# Altium PCB Dashcam BB V2.0 A.PcbDoc (part 2 of 2) (continued)
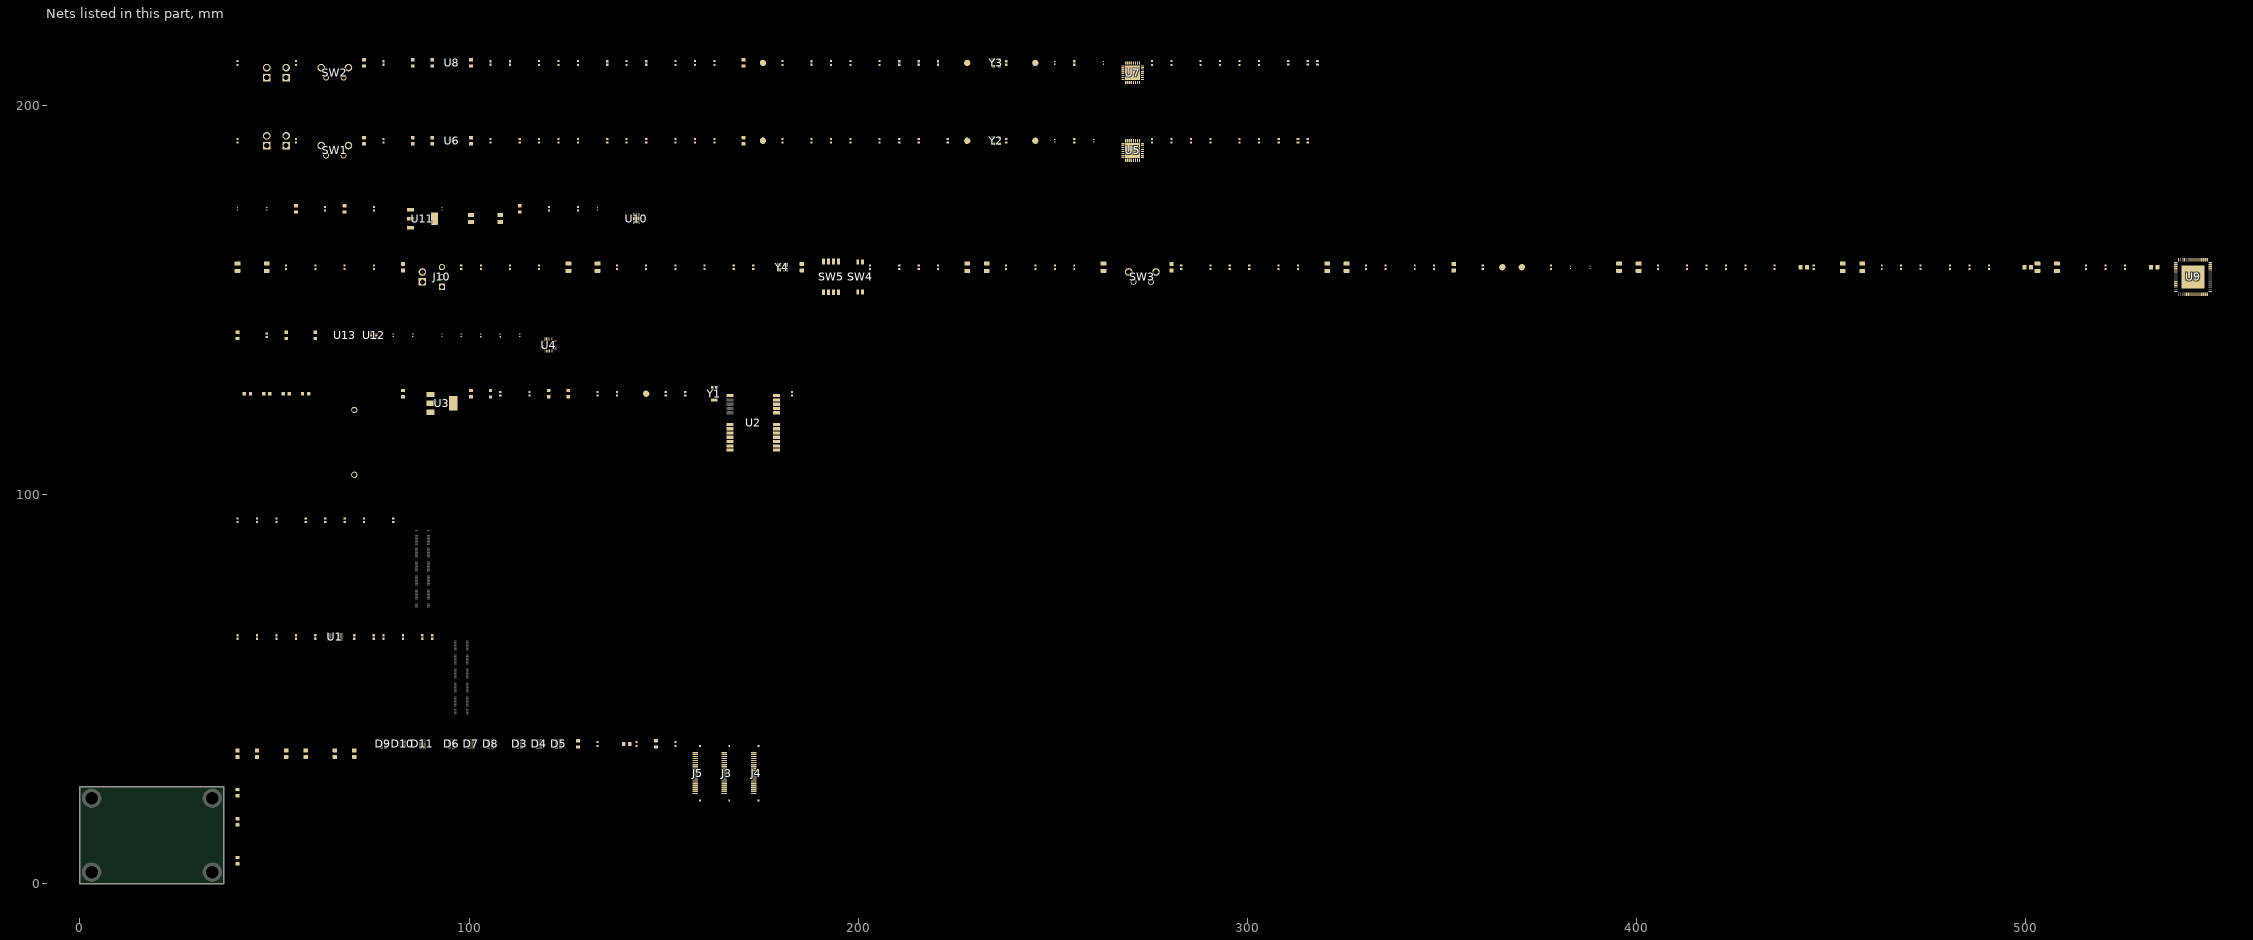
[diagram p2: the nets of this part, all layers, seen from the top]
## Part data (continued)
U5 U7: library part IC_MIPI_SERIALIZER_DS90UB953ATRHBTQ1, "FPD-Link III 4.16-Gbps serializer with CSI-2 interface 32-VQFN -40 to 125", Case/Package=VQFN, Manufacturer="Texas Instruments", Max Operating Temperature=125°C, Min Operating Temperature=-40°C, Category="Integrated Circuits (ICs)", ComponentLink1Description=http://www.ti.com/general/docs/suppproductinfo.tsp?distId=10&amp;gotoUrl=http%3A%2F%2Fwww.ti.com%2Flit%2Fgpn%2Fds90ub953a-q1&src-supplier=Digikey, ComponentLink1URL=http://www.ti.com/general/docs/suppproductinfo.tsp?distId=10&amp;gotoUrl=http%3A%2F%2Fwww.ti.com%2Flit%2Fgpn%2Fds90ub953a-q1&src-supplier=Digikey, Data Rate=4.16Gbps, Manufacturer Part Number=DS90UB953ATRHBTQ1, Mount="Surface Mount", Number of Inputs=5, Number of Outputs=1, Pricing 1="1=10.375, 100=9.063, 250=6.988, 1000=6.25 (USD)", RoHS=Yes, series="Automotive, AEC-Q100", Stock 1=15937, Supplier 1="Texas Instruments", Supplier Part Number 1=DS90UB953ATRHBTQ1
U6 U8 U13: library part IC_REG_LDO_1.8V_250mA_LP5907UVX-1.8/NOPB, "Low Dropout Regulators(LDO) Positive Fixed 200mV @ 250mA 5.5V 1.8V 250mA DSBGA-4 RoHS", Case/Package=SMD/SMT, Dropout Voltage=50mV, Manufacturer="Texas Instruments", Max Input Voltage=5.5V, Max Operating Temperature=125°C, Max Output Current=250mA, Max Supply Current=425uA, Min Input Voltage=2.2V, Min Operating Temperature=-40°C, Min Output Voltage=1.8V, Package Quantity=3000, Power Supply Rejection Ratio (PSRR)=60dB, Quiescent Current=25uA, Supplier Part Number 1=296-35634-1-ND, Accuracy=2%, Category="Voltage Regulators - Linear", ComponentLink1Description=https://datasheet.ciiva.com/6597/lp5907-6597398.pdf?src-supplier=Digikey, ComponentLink1URL=https://datasheet.ciiva.com/6597/lp5907-6597398.pdf?src-supplier=Digikey, ComponentLink2Description=https://datasheet.ciiva.com/14278/lp5907-14278557.pdf?src-supplier=Avnet, ComponentLink2URL=https://datasheet.ciiva.com/14278/lp5907-14278557.pdf?src-supplier=Avnet, Lead Free="Lead Free", Manufacturer Part Number=LP5907UVX-1.8/NOPB, Mount="Surface Mount", Number of Outputs=1, Number of Regulators=1, Output Configuration=Positive, Output Current=250mA, Output Type=Fixed, Output Voltage=1.8V, Packaging="Tape and Reel", Polarity=Positive, Pricing 1="1=0.66, 10=0.564, 25=0.5268, 100=0.4214, 250=0.39128, 500=0.33108, 1000=0.25583 (USD)", Radiation Hardening=No, RoHS=Yes, RoHS Compliant=Yes, series=-, Stock 1=47909, Supplier 1=Digikey
U9: library part IC_MIPI_DESEREALIZER_DS90UB960WRTDRQ1, "Quad 2 MP camera hub FPD-Link III deserializer with dual CSI-2 output ports 64-VQFN -40 to 105", Manufacturer="Texas Instruments", Max Operating Temperature=105°C, Min Operating Temperature=-40°C, Category="Integrated Circuits (ICs)", ComponentLink1Description=http://www.ti.com/general/docs/suppproductinfo.tsp?distId=10&amp;gotoUrl=http%3A%2F%2Fwww.ti.com%2Flit%2Fgpn%2Fds90ub960-q1&src-supplier=Digikey, ComponentLink1URL=http://www.ti.com/general/docs/suppproductinfo.tsp?distId=10&amp;gotoUrl=http%3A%2F%2Fwww.ti.com%2Flit%2Fgpn%2Fds90ub960-q1&src-supplier=Digikey, Manufacturer Part Number=DS90UB960WRTDRQ1, Pricing 1="1=18.26, 100=15.95, 250=12.298, 1000=11 (USD)", RoHS=Yes, RoHS Compliant=Yes, Stock 1=6702, Supplier 1="Texas Instruments", Supplier Part Number 1=DS90UB960WRTDRQ1
U10: library part IC_REG_LDO_1.1V_1A_TPS74611PQWDRVRQ1, "Voltage Regulator; linear, LDO; fixed; Vout: 1.1V; Vin: 1.5-6V; 1A; -40+125 deg.C; SMD; WSON6", Manufacturer="Texas Instruments", Supplier Part Number 1=296-TPS74611PQWDRVRQ1CT-ND, Category="Integrated Circuits (ICs)", Manufacturer Part Number=TPS74611PQWDRVRQ1, Pricing 1="1=1.26, 10=0.915, 25=0.8288, 100=0.7334, 250=0.68796, 500=0.66054, 1000=0.63799, 3000=0.61013, 6000=0.59649, 9000=0.58967, 15000=0.5821 (USD)", RoHS=Yes, RoHS Compliant=Yes, Stock 1=29876, Supplier 1=Digikey
U11: library part IC_REG_LDO_1.8_1A_AZ1117CH-1.8TRG1, "AZ1117C Series 1.8 V 800 mA Fixed Surface Mount Voltage Regulator - SOT-223", Case/Package=SOT-223, Dropout Voltage=1.2V, Manufacturer=Diodes, Max Input Voltage=15V, Max Operating Temperature=125°C, Max Output Current=1.35A, Min Current Limit=1A, Min Operating Temperature=-20°C, Output Current=800mA, Output Voltage=1.8V, Package Quantity=4000, Quiescent Current=6mA, Reference Voltage=1.262V, Supplier Part Number 1=AZ1117CH-1.8TRG1DITR-ND, Accuracy=1%, Category="Voltage Regulators - Linear", ComponentLink1Description=https://datasheet.ciiva.com/29569/az1117c-29569909.pdf?src-supplier=Digikey, ComponentLink1URL=https://datasheet.ciiva.com/29569/az1117c-29569909.pdf?src-supplier=Digikey, Height=1.7mm, Length=6.7mm, Manufacturer Part Number=AZ1117CH-1.8TRG1, Mount="Surface Mount", Number of Channels=1, Number of Outputs=1, Number of Pins=3, Number of Regulators=1, Output Type=Fixed, Packaging="Cut Tape", Polarity=Positive, Pricing 1="4000=0.06801, 8000=0.06219, 12000=0.05925, 20000=0.05597, 28000=0.05488 (USD)", RoHS=Yes, RoHS Compliant=Yes, series=-, Stock 1=40000, Supplier 1=Digikey, Width=3.7mm
U12: library part IC_LEVEL_TRASLATOR_NTS0104GU12,115, "NTS0104 Series 50 Mbps Dual Supply 3-ST O-DRN Translating Transceiver- XQFN-12", High Level Output Current=-20uA, Low Level Output Current=1mA, Manufacturer="NXP Semiconductors", Max Operating Temperature=125°C, Max Power Dissipation=250mW, Max Supply Voltage=5.5V, Min Operating Temperature=-40°C, Min Supply Voltage=1.65V, Package Quantity=1, Quiescent Current=45uA, Supplier Part Number 1=568-8408-1-ND, Category="Voltage Level Shifters", ComponentLink1Description=https://datasheet.ciiva.com/1899/nts0104-1899088.pdf?src-supplier=Digikey, ComponentLink1URL=https://datasheet.ciiva.com/1899/nts0104-1899088.pdf?src-supplier=Digikey, ComponentLink2Description=https://datasheet.ciiva.com/4834/nts0104-92130-4834865.pdf?src-supplier=Mouser, ComponentLink2URL=https://datasheet.ciiva.com/4834/nts0104-92130-4834865.pdf?src-supplier=Mouser, ComponentLink3Description=https://datasheet.ciiva.com/1899/nts0104-1899089.pdf?src-supplier=Digikey, ComponentLink3URL=https://datasheet.ciiva.com/1899/nts0104-1899089.pdf?src-supplier=Digikey, ComponentLink4Description=https://datasheet.ciiva.com/1899/nts0104-1899090.pdf?src-supplier=Digikey, ComponentLink4URL=https://datasheet.ciiva.com/1899/nts0104-1899090.pdf?src-supplier=Digikey, ComponentLink5Description=https://datasheet.ciiva.com/8244/nts0104-8244168.pdf?src-supplier=Avnet, ComponentLink5URL=https://datasheet.ciiva.com/8244/nts0104-8244168.pdf?src-supplier=Avnet, Data Rate=50Mbps, Lead Free="Lead Free", Logic Function=Translator, Manufacturer Part Number=NTS0104GU12,115, Mount="Surface Mount", Number of Bits=4, Number of Channels=4, Number of Pins=12, Output Type=Voltage, Packaging="Tape and Reel", Pricing 1="1=1.16, 10=1.034, 25=0.982, 100=0.8065, 250=0.75396, 500=0.66628, 1000=0.52601 (USD)", Propagation Delay=4.4ns, RoHS=Yes, RoHS Compliant=Yes, series=-, Stock 1=126626, Supplier 1=Digikey, Turn-On Delay Time=5.8ns
Y1: library part ANT_CHIP_GPS_W3011, "Antenna Ceramic 3.4dB Gain 1585.42MHz 2-Pin CSMD", Frequency=1.57542GHz, Manufacturer=Pulse, Max Frequency=1.58542GHz, Min Frequency=1.56542GHz, Package Quantity=3000, Supplier Part Number 1=553-2582-1-ND, Category="RF Antennas", ComponentLink1Description=https://datasheet.ciiva.com/2792/+w3011-w3011a-2792615.pdf?src-supplier=Digikey, ComponentLink1URL=https://datasheet.ciiva.com/2792/+w3011-w3011a-2792615.pdf?src-supplier=Digikey, ComponentLink2Description=https://datasheet.ciiva.com/8152/+w3011-w3011a-8152997.pdf?src-supplier=Avnet, ComponentLink2URL=https://datasheet.ciiva.com/8152/+w3011-w3011a-8152997.pdf?src-supplier=Avnet, Height=0.043inch, Impedance=50R, Lead Free="Lead Free", Manufacturer Part Number=W3011, Mount="Surface Mount,PCB", Number of Bands=1, Packaging="Cut Tape", Pricing 1="1=2.56, 10=1.654, 25=1.4148, 100=1.1461, 250=1.01512, 500=0.93512, 1000=0.86859 (USD)", Return Loss=-12dB, RoHS=Yes, RoHS Compliant=Yes, series=-, Stock 1=8689, Supplier 1=Digikey, Termination=Solder
Y2 Y3: library part CRYSTAL_ABRACON_50MHz_ASDMB-50.000MHZ-LC-T, "Oscillator MEMS 50MHz ±50ppm (Stability) 15pF LVCMOS 55% 1.8V/2.5V/3.3V Automotive 4-Pin QFN SMD T/R", Case/Package=SMD/SMT, Frequency=50MHz, Frequency Stability=50ppm, Load Capacitance=15pF, Manufacturer=Abracon, Max Operating Temperature=85°C, Max Supply Current=16mA, Max Supply Voltage=4V, Min Operating Temperature=-40°C, Min Supply Voltage=-300mV, Operating Frequency="50 MHz", Operating Supply Voltage=3.3V, Supplier Part Number 1=535-11738-1-ND, Category=Oscillators, ComponentLink1Description=https://datasheet.ciiva.com/871/asdmb-871369.pdf?src-supplier=Digikey, ComponentLink1URL=https://datasheet.ciiva.com/871/asdmb-871369.pdf?src-supplier=Digikey, ComponentLink2Description=https://datasheet.ciiva.com/871/asdmb-871370.pdf?src-supplier=Digikey, ComponentLink2URL=https://datasheet.ciiva.com/871/asdmb-871370.pdf?src-supplier=Digikey, ComponentLink3Description=https://datasheet.ciiva.com/871/asdmb-871371.pdf?src-supplier=Digikey, ComponentLink3URL=https://datasheet.ciiva.com/871/asdmb-871371.pdf?src-supplier=Digikey, ComponentLink4Description=https://datasheet.ciiva.com/48464/asdmb-48464511.pdf?src-supplier=Avnet, ComponentLink4URL=https://datasheet.ciiva.com/48464/asdmb-48464511.pdf?src-supplier=Avnet, Lead Free="Lead Free", Manufacturer Part Number=ASDMB-50.000MHZ-LC-T, Mount="Surface Mount", Number of Pins=4, Packaging="Tape and Reel", Pricing 1="1=2.76, 10=2.134, 50=2.0774, 100=2.0507, 500=1.5675 (USD)", Reach SVHC Compliant=No, RoHS=Yes, RoHS Compliant=Yes, series="ASDMB, Pure Silicon™", Stock 1=1587, Supplier 1=Digikey, Termination=SMD/SMT
Y4: library part "CRYSTAL_OSC_25MHz_15pF_SG-210STF 25.0000ML3", "Oscillator XO 25MHz ±50ppm 15pF CMOS 55% 1.8V/2.5V/3.3V Medical 4-Pin SMD T/R", Case/Package=SMD/SMT, Current Rating=2.2mA, Frequency=25MHz, Frequency Stability=50ppm, Load Capacitance=15pF, Manufacturer=Epson, Max Operating Temperature=85°C, Max Supply Voltage=3.6V, Min Operating Temperature=-40°C, Min Supply Voltage=1.6V, Package Quantity=250, Supplier Part Number 1=SER3807CT-ND, Category=Oscillators, ComponentLink1Description=https://datasheet.ciiva.com/29629/029-sg-210stf-e147-29629803.pdf?src-supplier=Digikey, ComponentLink1URL=https://datasheet.ciiva.com/29629/029-sg-210stf-e147-29629803.pdf?src-supplier=Digikey, ComponentLink2Description=https://datasheet.ciiva.com/29629/029-sg-210stf-e147-29629804.pdf?src-supplier=Digikey, ComponentLink2URL=https://datasheet.ciiva.com/29629/029-sg-210stf-e147-29629804.pdf?src-supplier=Digikey, ComponentLink3Description=https://datasheet.ciiva.com/29629/029-sg-210stf-e147-29629805.pdf?src-supplier=Digikey, ComponentLink3URL=https://datasheet.ciiva.com/29629/029-sg-210stf-e147-29629805.pdf?src-supplier=Digikey, Height=0.035inch, Lead Free="Lead Free", Length=0.098inch, Manufacturer Part Number="SG-210STF 25.0000ML3", Max Duty Cycle=55%, Max Supply Current=2.2mA, Mount="Surface Mount", Packaging="Tape and Reel", Pricing 1="1=1.62, 10=1.58, 50=1.5052, 100=1.325 (USD)", RoHS=Yes, RoHS Compliant=Yes, series=SG-210STF, Stock 1=22617, Supplier 1=Digikey, Termination=SMD/SMT, Width=2mm

## Nets (pads, with @x,y where several pads share a name; then routed paths per layer and width w, separated by ;. In a path a pad name is that pad's centre, name@x,y a point inside that pad or via, vN(x,y) a via of type N, cw(c..) or ccw(c..) an arc to the next point about the centre after c; other vN are vias at no path point)
AFGND1: FB2.1 J3.SH1 J3.SH2
AFGND2: FB4.1 J4.SH1 J4.SH2
AFGND3: FB6.1 J5.SH1 J5.SH2
AGND1: FB1.1 J3.20 J3.21
AGND2: FB3.1 J4.20 J4.21
AGND3: FB5.1 J5.20 J5.21
BACKUP: BH1.2 C4.2 R27.1 U2.22
CLKIn: R36.2 U5.20
CLKIn_2: R49.2 U7.20
CMLOUT_N: C86.2 U9.57
CMLOUT_P: C77.2 U9.56
CMLOUT_R_N: C86.1 R62.2 TP6.1
CMLOUT_R_P: C77.1 R62.1 TP5.1
CSI0_CLK_N: U9.22
CSI0_CLK_P: U9.23
CSI0_D0_N: U9.24
CSI0_D0_P: U9.25
CSI0_D1_N: U9.26
CSI0_D1_P: U9.27
CSI0_D2_N: U9.28
CSI0_D2_P: U9.29
CSI0_D3_N: U9.30
CSI0_D3_P: U9.31
CSI1_CK_N: D9.5 D9.6 J3.10 U5.6
CSI1_CK_P: D9.4 D9.7 J3.11 U5.5
CSI1_D0_N: D3.1 D3.10 J3.2 U5.4
CSI1_D0_P: D3.2 D3.9 J3.3 U5.3
CSI1_D1_N: D3.4 D3.7 J3.4 U5.2
CSI1_D1_P: D3.5 D3.6 J3.5 U5.1
CSI1_D2_N: D6.1 D6.10 J3.6 U5.32
CSI1_D2_P: D6.2 D6.9 J3.7 U5.31
CSI1_D3_N: D6.4 D6.7 J3.8 U5.30
CSI1_D3_P: D6.5 D6.6 J3.9 U5.29
CSI1_MCLK_R: J3.19 R42.1
CSI1_nRST_R: J3.13 R37.2
CSI1_PWDN_R: J3.18 R38.2
CSI1_SYNC_R: J3.14
CSI2_CK_N: D10.5 D10.6 J4.10
CSI2_CK_P: D10.4 D10.7 J4.11
CSI2_D0_N: D4.1 D4.10 J4.2
CSI2_D0_P: D4.2 D4.9 J4.3
CSI2_D1_N: D4.4 D4.7 J4.4
CSI2_D1_P: D4.5 D4.6 J4.5
CSI2_D2_N: D7.1 D7.10 J4.6
CSI2_D2_P: D7.2 D7.9 J4.7
CSI2_D3_N: D7.4 D7.7 J4.8
CSI2_D3_P: D7.5 D7.6 J4.9
CSI2_MCLK_R: J4.19 R19.2
CSI2_nRST_R: J4.13 R14.2
CSI2_PWDN_R: J4.18 R18.2
CSI2_SYNC_R: J4.14 R16.2
CSI3_CK_N: D11.5 D11.6 J5.10 U7.6
CSI3_CK_P: D11.4 D11.7 J5.11 U7.5
CSI3_D0_N: D5.1 D5.10 J5.2 U7.4
CSI3_D0_P: D5.2 D5.9 J5.3 U7.3
CSI3_D1_N: D5.4 D5.7 J5.4 U7.2
CSI3_D1_P: D5.5 D5.6 J5.5 U7.1
CSI3_D2_N: D8.1 D8.10 J5.6 U7.32
CSI3_D2_P: D8.2 D8.9 J5.7 U7.31
CSI3_D3_N: D8.4 D8.7 J5.8 U7.30
CSI3_D3_P: D8.5 D8.6 J5.9 U7.29
CSI3_MCLK_R: J5.19 R55.1
CSI3_nRST_R: J5.13 R50.2
CSI3_PWDN_R: J5.18 R51.2
CSI3_SYNC_R: J5.14
DCDC_3V3: C8.2 C9.2 C10.2 C11.2 C12.2 C13.2 C34.2 C59.2 C116.2 C117.2 C123.2 C124.2 C129.2 C130.2 J3.22 J4.22 J5.22 J10.1 R3.1 R4.1 R32.2 R47.2 R60.2 U1.7 U6.A1 U8.A1 U10.4 U10.6 U11.3 U12.11 U13.A1
FPD_OUT: C20.2 C115.1
FPD_OUT_2: C45.2 C122.1
GND: BH1.1 C1.2 C2.1 C3.1 C4.1 C5.1 C6.1 C7.1 C8.1 C9.1 C10.1 C11.1 C12.1 C13.1 C14.2 C15.2 C16.2 C17.2 C18.2 C19.2 C22.1 C23.1 C24.1 C25.1 C26.1 C27.1 C28.1 C30.1 C31.1 C32.1 C33.1 C34.1 C35.1 C36.1 C37.1 C38.1 C39.2 C40.2 C41.2 C42.2 C43.2 C44.2 C47.1 C48.1 C49.1 C50.1 C51.1 C52.1 C53.1 C55.1 C56.1 C57.1 C58.1 C59.1 C60.1 C61.1 C62.1 C63.1 C64.1 C65.1 C66.1 C67.1 C68.1 C69.1 C70.1 C71.1 C72.1 C73.1 C74.1 C75.1 C76.1 C78.1 C79.1 C80.1 C81.1 C82.1 C83.1 C84.1 C85.1 C87.1 C88.1 C89.1 C90.1 C91.1 C92.1 C93.1 C94.1 C95.1 C96.1 C97.1 C98.1 C99.1 C100.1 C101.1 C102.1 C103.1 C104.1 C105.1 C106.1 C107.1 C108.1 C109.1 C110.1 C111.1 C112.1 C113.1 C114.1 C116.1 C117.1 C118.1 C119.1 C120.1 C121.1 C123.1 C124.1 C125.1 C126.1 C127.1 C128.1 C129.1 C130.1 C131.1 C132.1 D1.1 D2.1 D3.3 D3.8 D4.3 D4.8 D5.3 D5.8 D6.3 D6.8 D7.3 D7.8 D8.3 D8.8 D9.3 D9.8 D10.3 D10.8 D11.3 D11.8 FB1.2 FB2.2 FB3.2 FB4.2 FB5.2 FB6.2 J3.1 J3.12 J4.1 J4.12 J5.1 J5.12 J6.2 J7.2 J8.2 J9.2 R26.1 R35.2 R48.2 R63.2 R70.1 R71.1 R72.1 R73.1 R77.1 SW1.1 SW1.MH1 SW2.1 SW2.MH1 SW3.1 SW3.MH1 SW3.MH2 SW4.1 SW4.2 U1.2 U2.2 U2.10 U2.12 U2.13 U2.24 U3.1 U4.18 U4.20 U5.7 U5.33 U6.B2 U7.7 U7.33 U8.B2 U9.65 U10.3 U10.7 U11.1 U12.5 U12.6 U12.10 U13.B2 Y1.2 Y1.3 Y2.2 Y3.2 Y4.2
GPIO0: TP1.1 U5.17
GPIO0_2: TP3.1 U7.17
GPIO1: TP8.1 U5.18
GPIO1_2: TP9.1 U7.18
GPIO1_IO00: R15.1 U12.7
GPIO1_IO08: R12.1 U12.8
GPIO1_IO09: R13.1 U12.9
GPIO_XX1: R14.1
GPIO_XX2: R16.1
GPIO_XX3: R17.1
GPIO_XX4: R12.2 R18.1
GPIO_XX5: R13.2 R19.1
GPIO_XX6: R15.2
GPIO_XX8: R7.2
GPIO_XX9: R8.2
GPIO_XX10: R9.2
GPIO_XX11: R10.2
GPIO_XX12: R11.2
GPS_ANT: U2.11 Y1.1
IDX: J7.1 R41.2 R46.2 TP2.1 U5.19
IDX_2: J9.1 R54.2 R59.2 TP4.1 U7.19
IDX_DES: C109.2 J11.2 R76.1 R77.2 U9.46
Imager_PWDN: R38.1 U5.28
Imager_PWDN_2: R51.1 U7.28
Imager_RESET: R37.1 U5.27
Imager_RESET_2: R50.1 U7.27
IMU_AD0: U4.9 U12.2
IMU_FSYNC: U4.11 U12.3
IMU_INT1: U4.12 U12.4
INT_GPS: R8.1 U2.4
MISO_GPS: R11.1 R22.2
MODE: R43.1 R45.1 U5.21
MODE_2: R56.1 R58.1 U7.21
MODE_DES: C102.2 SW5.1 SW5.2 SW5.3 SW5.4 U9.45
MOSI_GPS: R9.1 R23.2
NetC5_2: C5.2 U4.10
NetC14_1: C14.1 C15.1 L1.1 U5.16
NetC20_1: C20.1 U5.14
NetC21_1: C21.1 U5.13
NetC21_2: C21.2 R35.1
NetC22_2: C22.2 C23.2 C24.2 U5.26
NetC25_2: C25.2 R39.1 Y2.4
NetC26_2: C26.2 C27.2 C28.2 U5.15
NetC29_1: C29.1 U5.9
NetC30_2: C30.2 U5.12
NetC31_2: C31.2 C32.2 C33.2 U5.10
NetC39_1: C39.1 C40.1 L4.1 U7.16
NetC45_1: C45.1 U7.14
NetC46_1: C46.1 U7.13
NetC46_2: C46.2 R48.1
NetC47_2: C47.2 C48.2 C49.2 U7.26
NetC50_2: C50.2 R52.1 Y3.4
NetC51_2: C51.2 C52.2 C53.2 U7.15
NetC54_1: C54.1 U7.9
NetC55_2: C55.2 U7.12
NetC56_2: C56.2 C57.2 C58.2 U7.10
NetC110_2: C110.2 J10.2 L13.1
NetD1_2: D1.2 R28.2
NetD2_2: D2.2 R29.2
NetJ6_1: J6.1 R45.2 R46.1
NetJ8_1: J8.1 R58.2 R59.1
NetR1_1: R1.1 U1.6
NetR20_1: R20.1 U2.18
NetR21_1: R21.1 U2.19
NetR22_1: R22.1 U2.20
NetR23_1: R23.1 U2.21
NetR24_2: R24.2 U2.6
NetR25_2: R25.2 U2.5
NetR32_1: R32.1 U13.B1
NetR36_1: R36.1 R40.2 Y2.3
NetR39_2: R39.2 Y2.1
NetR47_1: R47.1 U6.B1
NetR49_1: R49.1 R53.2 Y3.3
NetR52_2: R52.2 Y3.1
NetR60_1: R60.1 U8.B1
NetR61_1: R61.1 U9.5
NetR63_1: R63.1 U9.6
NetR66_1: R66.1 R70.2 SW5.8
NetR67_1: R67.1 R71.2 SW5.7
NetR68_1: R68.1 R72.2 SW5.6
NetR69_1: R69.1 R73.2 SW5.5
NetR74_1: R74.1 Y4.3
NetR75_2: R75.2 Y4.1
PDB: C37.2 C38.2 R44.1 SW1.2 SW1.MH2 U5.8
PDB_2: C62.2 C63.2 R57.1 SW2.2 SW2.MH2 U7.8
PDB_DES: C93.2 R64.1 SW3.2 SW4.3 U9.3
PPS_GPS: R28.1 U2.3
RefCLK: R40.1 R41.1 R42.2
RefCLK_2: R53.1 R54.1 R55.2
REFCLK_DES: R61.2 R74.2
RESET_GPS: R7.1 U2.8
RIN0_N: C121.2 C127.2 U9.51 U9.54
RIN0_P: C115.2 C122.2 U9.50 U9.53
SAFE_GPS: R10.1 U2.1
SCL_1V8: J3.16 J4.16 J5.16 R5.1 R31.1 U1.5 U4.23 U5.24 U7.24 U9.12
SCL_3V3: R3.2 R21.2 U1.8
SDA_1V8: J3.17 J4.17 J5.17 R6.1 R30.1 U1.4 U4.24 U5.23 U7.23 U9.11
SDA_3V3: R4.2 R20.2 U1.1
SLASEL1_R: J3.15
SLASEL2_R: J4.15 J5.15 R17.2
TESTEN: R65.1 SW4.4 U9.4
USB_GPS_N: R25.1
USB_GPS_P: R24.1
VCC_REF: TP7.1 U2.9
VDD18_P: C79.2 C80.2 C81.2 C82.2 C83.2 C84.2 C85.2 L9.2 U9.1 U9.2 U9.47 U9.48
VDD18A: C65.2 C66.2 C67.2 C68.2 L7.2 U9.32
VDD_1V1: C87.2 C94.2 C103.2 C118.2 C119.2 C120.2 L10.1 L11.1 L12.1 U10.1
VDD_1V8: C35.2 C36.2 L1.2 L2.2 L3.2 R1.2 R2.1 R5.2 R6.2 R44.2 U1.3 U6.A2
VDD_1V8-2: L4.2 L5.2 L6.2
VDD_1V8_2: C60.2 C61.2 R2.2 R57.2 U8.A2
VDD_1V8_3: C6.2 C7.2 C128.2 C131.2 C132.2 R30.2 R31.2 U4.8 U4.13 U4.22 U12.1 U12.12 U13.A2
VDD_1V8_DES: C64.2 C69.2 C78.2 C125.2 C126.2 J10.3 J11.1 L7.1 L8.1 L9.1 R64.2 R66.2 R67.2 R68.2 R69.2 R76.2 U11.2 U11.4
VDD_PLL: C18.1 C19.1 C29.2 L3.1 U5.11
VDD_PLL_2: C43.1 C44.1 C54.2 L6.1 U7.11
VDDCSI_1V1: C95.2 C96.2 C97.2 C98.2 C99.2 L11.2 U9.21 U9.33
VDDDIG: C16.1 C17.1 L2.1 R43.2 U5.25
VDDDIG_2: C41.1 C42.1 L5.1 R56.2 U7.25
VDDFPD18: C70.2 C71.2 C72.2 C73.2 C74.2 C75.2 C76.2 L8.2 U9.49 U9.55 U9.58 U9.64
VDDFPD_1V1: C104.2 C105.2 C106.2 C107.2 C108.2 L12.2 U9.52 U9.61
VDDIO: C100.2 C101.2 C111.2 C112.2 C113.2 C114.2 L13.2 R65.2 R75.1 U9.16 Y4.4
VDDL_1V1: C88.2 C89.2 C90.2 C91.2 C92.2 L10.2 U9.13 U9.44
VGPS_3V3: C1.1 C3.2 R26.2 R27.2 R29.1 U2.7 U2.23 U3.2 U3.4
VSYS: C2.2 U3.3
pads on no net: D9.1 D9.2 D9.9 D9.10 D10.1 D10.2 D10.9 D10.10 D11.1 D11.2 D11.9 D11.10 H1.1 H2.1 H3.1 H4.1 J1.1 J1.2 J1.3 J1.4 J1.5 J1.6 J1.7 J1.8 J1.9 J1.10 J1.11 J1.12 J1.13 J1.14 J1.15 J1.16 J1.17 J1.18 J1.19 J1.20 J1.21 J1.22 J1.23 J1.24 J1.25 J1.26 J1.27 J1.28 J1.29 J1.30 J1.31 J1.32 J1.33 J1.34 J1.35 J1.36 J1.37 J1.38 J1.39 J1.40 J1.41 J1.42 J1.43 J1.44 J1.45 J1.46 J1.47 J1.48 J1.49 J1.50 J1.51 J1.52 J1.53 J1.54 J1.55 J1.56 J1.57 J1.58 J1.59 J1.60 J1.61 J1.62 J1.63 J1.64 J1.65 J1.66 J1.67 J1.68 J1.69 J1.70 J1.71 J1.72 J1.73 J1.74 J1.75 J1.76 J1.77 J1.78 J1.79 J1.80 J1.81 J1.82 J1.83 J1.84 J1.85 J1.86 J1.87 J1.88 J1.89 J1.90 J1.91 J1.92 J1.93 J1.94 J1.95 J1.96 J1.97 J1.98 J1.99 J1.100 J2.1 J2.2 J2.3 J2.4 J2.5 J2.6 J2.7 J2.8 J2.9 J2.10 J2.11 J2.12 J2.13 J2.14 J2.15 J2.16 J2.17 J2.18 J2.19 J2.20 J2.21 J2.22 J2.23 J2.24 J2.25 J2.26 J2.27 J2.28 J2.29 J2.30 J2.31 J2.32 J2.33 J2.34 J2.35 J2.36 J2.37 J2.38 J2.39 J2.40 J2.41 J2.42 J2.43 J2.44 J2.45 J2.46 J2.47 J2.48 J2.49 J2.50 J2.51 J2.52 J2.53 J2.54 J2.55 J2.56 J2.57 J2.58 J2.59 J2.60 J2.61 J2.62 J2.63 J2.64 J2.65 J2.66 J2.67 J2.68 J2.69 J2.70 J2.71 J2.72 J2.73 J2.74 J2.75 J2.76 J2.77 J2.78 J2.79 J2.80 J2.81 J2.82 J2.83 J2.84 J2.85 J2.86 J2.87 J2.88 J2.89 J2.90 J2.91 J2.92 J2.93 J2.94 J2.95 J2.96 J2.97 J2.98 J2.99 J2.100 U2.14 U2.15 U2.16 U2.17 U4.1 U4.2 U4.3 U4.4 U4.5 U4.6 U4.7 U4.14 U4.15 U4.16 U4.17 U4.19 U4.21 U5.22 U7.22 U9.7 U9.8 U9.9 U9.10 U9.14 U9.15 U9.17 U9.18 U9.19 U9.20 U9.34 U9.35 U9.36 U9.37 U9.38 U9.39 U9.40 U9.41 U9.42 U9.43 U9.59 U9.60 U9.62 U9.63 U10.2 U10.5

## Silkscreen, mask and mechanical layers (free items; w line width, h text height)
Board:
  the board outline again, w0.127
Top Assembly:
  circle w0.013: c58.42,-4.46 r0.254
  circle w0.013: c13.97,-4.46 r1.587
  circle w0.013: c55.88,-4.46 r0.254
  circle w0.013: c63.5,-4.46 r0.254
  circle w0.013: c60.96,-4.46 r0.254
  circle w0.013: c53.34,-4.46 r0.254
  circle w0.013: c50.8,-4.46 r0.254
  circle w0.013: c45.72,-4.46 r0.254
  circle w0.013: c43.18,-4.46 r0.254
  circle w0.013: c40.64,-4.46 r0.254
  circle w0.013: c38.1,-4.46 r0.254
  circle w0.013: c27.94,-4.46 r0.254
  circle w0.013: c33.02,-4.46 r0.254
  circle w0.013: c30.48,-4.46 r0.254
  circle w0.013: c35.56,-4.46 r0.254
  circle w0.013: c66.07,0.62 r1.587
  circle w0.013: c66.07,28.56 r1.587
  circle w0.013: c63.5,43.8 r0.254
  circle w0.013: c60.96,43.8 r0.254
  circle w0.013: c55.88,43.8 r0.254
  circle w0.013: c58.42,43.8 r0.254
  circle w0.013: c53.34,43.8 r0.254
  circle w0.013: c50.8,43.8 r0.254
  circle w0.013: c48.26,43.8 r0.254
  circle w0.013: c45.72,43.8 r0.254
  circle w0.013: c41.686,43.8 r0.254
  circle w0.013: c39.146,43.8 r0.254
  circle w0.013: c36.606,43.8 r0.254
  circle w0.013: c34.066,43.8 r0.254
  circle w0.013: c28.986,43.8 r0.254
  circle w0.013: c26.446,43.8 r0.254
  circle w0.013: c23.906,43.8 r0.254
  circle w0.013: c21.366,43.8 r0.254
  circle w0.013: c18.826,43.8 r0.254
  circle w0.013: c15.27,43.8 r1.587
  lines w0.013: 31.571,43.55 ccw(c31.526,43.8) 31.78,43.8

## Dimensions
0,0 to 0,25 on Drill Drawing
0,0 to 37,0 on Drill Drawing